# Allegro board 038RT-9068CJK8E-A100_0921.brd (continued)
## Routing (per net, layer and track width the routed paths; a pad name or vN(x,y) marks a point on that pad's centre or on a via; arc(x,y) is an arc through that point) (continued)
SG3_P1_LDOOUT: length 28.3
  L05_SIGNAL w0.102: 590.38,263.42 596.8,263.42 v1(597.2,263.82)
  L05_SIGNAL w0.105: v2(569.45,262.89) 569.64,262.7 589,262.7 589.72,263.42 590.38,263.42
  vias: v1(598,263.82)
SG3_P1_LED: length 25
  L05_SIGNAL w0.102: 598.4,258.6 598.4,261.02 v1(598.8,261.42)
  L05_SIGNAL w0.105: v2(599.93,237.18) 599.72,237.39 599.72,254.56 598.4,255.88 598.4,258.6
SG3_P1_MDI+: length 30.2
  L46_SIGNAL w0.102: 605.62,271.59 605.59,271.59 605.42,271.42 604.8,271.42 v1(604.4,271.02)
  L46_SIGNAL w0.136: v1(623.8,284.72) 623.8,284.9 623.59,285.11 621.3,285.11 620.6,284.41 620.6,278.29 618.74,276.43 609.19,276.43 607.27,274.51 607.27,272.66 606.21,271.59 605.62,271.59
SG3_P1_MDI-: length 30.2
  L46_SIGNAL w0.102: v1(604.4,271.82) 604.8,272.22 605.42,272.22 605.59,272.05 605.62,272.05
  L46_SIGNAL w0.136: v1(623.8,285.97) 623.8,285.79 623.57,285.56 621.11,285.56 620.15,284.6 620.15,278.48 618.56,276.88 609,276.88 606.82,274.7 606.82,272.85 606.02,272.05 605.62,272.05
SG3_P1_RXC: length 70.1
  L07_SIGNAL w0.102: 593.59,257.92 593.59,259.18 593.59,259.18 593.59,259.41 v1(594,259.82)
  L07_SIGNAL w0.105: v2(567.55,250.19) 568.49,251.14 568.49,253.29 569.25,254.04 570.8,254.04 571.18,253.66 571.18,250.21 571.49,249.91 573.02,249.91 573.32,250.21 573.32,253.56 573.8,254.04 575.47,254.04 576.21,253.3 576.21,245.18 579.16,242.23 585.83,242.23 v1(586.33,242.74) 585.59,243.48 585.59,249.49 588.29,252.19 590.02,252.19 590.3,252.47 590.3,255.47 590.04,255.73 586.58,255.73 586.31,256 586.31,256.75 586.45,256.89 593,256.89 593.59,257.49 593.59,257.92
  BOTTOM w0.115: v1(586.33,242.74) UNK3RR504.2
SG3_P1_RXD0: length 62.1
  L07_SIGNAL w0.102: v1(596.4,259.82) 595.99,259.41 595.33,259.41 595.19,259.27 595.19,258.86 595.04,258.71 595.04,258.6
  L07_SIGNAL w0.105: 595.04,258.6 595.04,256.35 592.18,253.48 592.18,245.45 591.45,244.72 589.62,244.72 589.23,244.34 589.23,242.69 589.7,242.23 591.92,242.23 v1(592.43,242.74) 593.19,241.97 593.19,240.43 592.7,239.94 578.74,239.94 569.86,248.82 568.24,248.82 566.89,250.18 566.89,252.7 v2(567.55,253.37)
  BOTTOM w0.115: v1(592.43,242.74) UNK3RR500.2
SG3_P1_RXD1: length 63.8
  L07_SIGNAL w0.102: 596.4,258.6 v1(596.4,259.02)
  L07_SIGNAL w0.105: v1(590.4,242.74) 591.07,243.41 594.77,243.41 595.98,242.2 596.74,242.2 597.08,242.54 597.08,243.5 596.37,244.21 596.37,250.51 596.4,250.54 596.4,258.6
  L09_SIGNAL w0.105: v2(565.64,247.01) 566.59,246.06 566.59,242.87 567.12,242.35 582.01,242.35 582.22,242.56 582.22,242.85 581.97,243.09 577.84,243.09 577.64,243.29 577.64,243.65 577.9,243.91 589.02,243.91 590.2,242.74 v1(590.4,242.74)
  BOTTOM w0.115: v1(590.4,242.74) UNK3RR501.2
SG3_P1_RXD2: length 55.3
  L07_SIGNAL w0.102: v1(595.6,259.82) 595.99,260.22 596.62,260.22 596.79,260.04 596.79,258.6
  L07_SIGNAL w0.105: 596.79,258.6 596.79,258.3 597.82,257.28 597.82,241.86 597.16,241.2 596,241.2 v1(594.46,242.74) 593.78,242.06 593.78,239.85 593.31,239.38 578.51,239.38 570.88,247.01 v2(569.45,247.01)
  BOTTOM w0.115: v1(594.46,242.74) UNK3RR502.2
SG3_P1_RXD3: length 50
  L07_SIGNAL w0.102: 595.6,258.6 v1(595.6,259.02)
  L07_SIGNAL w0.105: v1(596.49,242.74) 595.2,244.03 594.74,244.03 594.29,244.48 594.29,246.55 595.6,247.86 595.6,258.6
  L09_SIGNAL w0.105: v2(567.55,247.01) 571.53,243.04 574.99,243.04 576.42,244.47 589.89,244.47 590.85,243.51 595.72,243.51 v1(596.49,242.74)
  BOTTOM w0.115: v1(596.49,242.74) UNK3RR503.2
SG3_P1_RXDV: length 66.7
  L07_SIGNAL w0.102: 594.4,257.92 594.4,259.43 v1(594.8,259.82)
  L07_SIGNAL w0.105: v2(569.45,250.19) 578.55,241.1 586.72,241.1 v1(588.37,242.74) 587.26,243.84 587.26,249.68 587.57,249.98 588.16,249.98 588.4,249.74 588.4,245.5 588.69,245.21 589.27,245.21 589.67,245.62 589.67,251.21 589.93,251.47 590.33,251.47 590.5,251.3 590.5,245.77 590.75,245.53 591.14,245.53 591.38,245.77 591.38,254.12 594.4,257.14 594.4,257.92
  BOTTOM w0.115: v1(588.37,242.74) UNK3RR505.2
SG3_P1_TESTD: length 24.3
  L05_SIGNAL w0.102: v1(592.4,259.82) 592,259.42 592,258.6
  L05_SIGNAL w0.105: 592,258.6 592,256.04 590.7,254.73 590.7,243.97 589.71,242.98 589.71,238.38 v2(588.5,237.18)
SG3_P1_TXC: length 209.8
  L07_SIGNAL w0.105: v1(593.2,259.02) 593.2,258.56 592.43,257.8 584.64,257.8 583.77,258.67 566.96,258.67 566.62,258.33 566.62,257.78 566.94,257.46 573.9,257.46 574.34,257.02 574.34,255.31 573.79,254.77 566.22,254.77 565.03,253.58 565.03,250.8 v2(565.64,250.19)
  L15_SIGNAL w0.105: v2(565.64,250.19) 565.64,249.09 565.27,248.72 563.35,248.72 562.76,249.31 562.76,252.05 555.28,259.53 537.7,259.53 537.35,259.17 537.35,258.54 537.72,258.16 542.03,258.16 542.44,257.75 542.44,255.75 541.58,254.9 490.94,254.9 485.35,260.48 482.04,260.48 474.42,268.1 467.88,268.1 451.78,284.2 441.55,284.2 v1(441.05,284.7)
  BOTTOM w0.115: v1(441.05,284.7) UNK3RR524.2
SG3_P1_TXD0: length 77.4
  L09_SIGNAL w0.105: SG3_P1_TXD0.1 548.82,240.01 550.1,240.01 550.85,240.76 550.85,243.71 550.15,244.41 543.86,244.41 541.51,246.76 541.51,248.28 542.31,249.08 546.25,249.08 548.94,246.39 559.05,246.39 560,247.34 560,248.95 565,253.96 570.9,253.96 570.98,254.04 570.99,254.04 573.1,256.14 577.78,256.14 580.03,258.4 590.98,258.4 v1(591.6,259.02)
SG3_P1_TXD1: length 88.3
  L09_SIGNAL w0.102: 590.38,259.26 590.49,259.26 590.63,259.41 591.19,259.41 v1(591.6,259.82)
  L09_SIGNAL w0.105: 590.38,259.26 586.72,259.26 586.41,258.96 579.8,258.96 577.66,256.81 572.98,256.81 570.76,254.6 570.75,254.6 570.73,254.57 564.83,254.57 562.81,252.55 559.03,252.55 557.12,254.46 557.12,258.91 555.4,260.63 538.28,260.63 536.32,258.66 536.32,249.59 542.43,243.48 545.34,243.48 SG3_P1_TXD1.1
SG3_P1_TXD2: length 91.3
  L09_SIGNAL w0.105: v1(590.8,259.82) 586.03,259.82 585.72,260.12 580.18,260.12 577.93,257.87 573.25,257.87 570.53,255.15 563.64,255.15 562.97,255.83 562.97,259.47 559.82,262.62 535.38,262.62 534.23,261.47 534.23,244.68 535.8,243.1 535.8,240.35 535.26,239.8 532.59,239.8 531.98,239.18 SG3_P1_TXD2.1
SG3_P1_TXD3: length 104.4
  L09_SIGNAL w0.102: 584.7,261.03 591.19,261.03 v1(591.6,260.62)
  L09_SIGNAL w0.105: 584.7,261.03 584.37,260.7 579.97,260.7 577.7,258.42 573.02,258.42 570.3,255.71 564.24,255.71 563.79,256.16 563.79,260.71 560.56,263.94 528.32,263.94 526.76,262.37 526.76,258.93 524.58,256.76 524.58,241.35 525.9,240.03 530.41,240.03 SG3_P1_TXD3.1
SG3_P1_TXEN: length 201.6
  L07_SIGNAL w0.105: v2(563.74,250.19) 563.74,256.82 567.3,260.38 588.67,260.38 588.82,260.23 588.82,259.8 588.66,259.64 584.81,259.64 584.52,259.35 584.52,259.1 584.72,258.9 589.6,258.9 590.08,258.42 592.12,258.42 592.4,258.7 v1(592.4,259.02)
  L15_SIGNAL w0.105: v1(441.05,286.73) 442.77,285.01 452,285.01 468.35,268.66 474.73,268.66 482.21,261.17 485.45,261.17 489.19,257.43 535.18,257.43 535.57,257.83 535.57,258.28 535.28,258.57 532.05,258.57 531.55,259.07 531.55,260.1 532.09,260.64 545.01,260.64 545.56,261.19 560.62,261.19 563.74,258.08 v2(563.74,250.19)
  BOTTOM w0.115: v1(441.05,286.73) UNK3RR525.2
SG3_P1_VDDIO:
  vias: v1(593.2,259.82) v1(593.21,253.23) v1(593.21,252.6) v1(593.75,254.06) v1(594,260.62) v1(594,259.02)
SG3_P2_GIGA_MDI+: length 23.8
  TOP w0.105: GOLD3.A16 605.36,261.59 628.34,261.59 UNK3T24.4
SG3_P2_GIGA_MDI-: length 23.8
  TOP w0.105: UNK3T24.3 628.34,262.05 605.36,262.05 GOLD3.A15
SG3_P2_LED: length 26.4
  L05_SIGNAL w0.102: v1(598.8,262.22) 599.2,261.82 599.2,258.7 599.1,258.6
  L05_SIGNAL w0.105: v2(601.84,237.18) 601.84,243.61 600.35,245.1 600.35,254.82 599.02,256.14 599.02,258.53 599.1,258.6
SG3_P3_GIGA_MDI+: length 25
  TOP w0.105: GOLD3.A18 605.36,259.99 606.17,259.99 607.26,258.9 617.6,258.9 619.55,256.95 628.34,256.95 UNK3T25.4
SG3_P3_GIGA_MDI-: length 25
  TOP w0.105: GOLD3.A17 605.36,260.45 606.36,260.45 607.45,259.36 617.8,259.36 619.75,257.41 628.34,257.41 UNK3T25.3
SG3_P3_LED: length 25.4
  L05_SIGNAL w0.102: 597.6,258.6 597.6,261.82 v1(598,262.22)
  L05_SIGNAL w0.105: 597.6,258.6 597.6,255.35 598.03,254.92 v2(598.03,237.18)
SG3_P4_HSI+: length 43.8
  L46_SIGNAL w0.136: v1(591.6,264.62) 591.2,264.23 arc(590.98,264.08) 590.72,264.03 588.18,264.03 arc(587.92,263.98) 587.7,263.83 587.01,263.14 arc(586.93,263.09) 586.84,263.07 574.23,263.07 arc(573.97,263.02) 573.75,262.87 573.08,262.2 arc(572.93,261.98) 572.88,261.72 572.88,252.02 arc(572.86,251.94) 572.81,251.86 569.89,248.94 arc(569.82,248.89) 569.73,248.87 564.7,248.87 arc(564.44,248.82) 564.22,248.67 562.25,246.7 arc(562.18,246.65) 562.09,246.63 561.7,246.63 arc(561.48,246.68) 561.29,246.8 v3(561.11,246.99)
SG3_P4_HSI-: length 43.8
  L46_SIGNAL w0.136: v3(561.11,245.82) 561.29,246.01 arc(561.48,246.14) 561.7,246.18 562.09,246.18 arc(562.35,246.23) 562.57,246.38 563.19,247 arc(563.31,247.08) 563.45,247.11 563.49,247.11 arc(563.62,247.14) 563.72,247.21 563.77,247.25 arc(563.84,247.36) 563.87,247.49 563.87,247.52 arc(563.89,247.66) 563.98,247.79 564.54,248.35 arc(564.62,248.4) 564.7,248.42 569.73,248.42 arc(569.99,248.47) 570.21,248.62 573.13,251.54 arc(573.28,251.76) 573.33,252.02 573.33,261.72 arc(573.35,261.81) 573.4,261.88 574.07,262.55 arc(574.14,262.6) 574.23,262.62 586.84,262.62 arc(587.1,262.67) 587.33,262.82 588.02,263.51 arc(588.09,263.56) 588.18,263.58 591.19,263.58 arc(591.34,263.61) 591.47,263.69 v1(591.6,263.82)
SG3_P4_HSO+: length 46.2
  TOP w0.105: v1(561.11,244.48) 561.31,244.28 arc(561.45,244.18) 561.61,244.13 arc(561.63,244.13) 561.66,244.13 561.77,244.13 arc(561.87,244.11) 561.96,244.05 563.49,242.52 arc(563.53,242.5) 563.57,242.49 580.34,242.49 arc(580.38,242.5) 580.42,242.52 588.04,250.14 arc(588.06,250.18) 588.07,250.22 588.07,261.78 arc(588.11,262) 588.24,262.18 589.54,263.49 arc(589.73,263.61) 589.94,263.65 590.52,263.65 arc(590.62,263.67) 590.71,263.73 GOLD3.W13
SG3_P4_HSO-: length 46.2
  TOP w0.105: GOLD3.W14 590.71,263.11 arc(590.62,263.17) 590.52,263.19 589.94,263.19 arc(589.9,263.18) 589.87,263.16 588.57,261.85 arc(588.54,261.82) 588.54,261.78 588.54,250.22 arc(588.49,250) 588.37,249.82 580.75,242.19 arc(580.56,242.07) 580.34,242.03 563.57,242.03 arc(563.35,242.07) 563.16,242.19 561.76,243.6 arc(561.68,243.65) 561.59,243.67 561.56,243.67 arc(561.46,243.65) 561.38,243.59 v1(561.11,243.32)
SG3_P5_HSI+: length 33.8
  L03_SIGNAL w0.102: v4(591.6,263.02) 591.39,262.81 arc(591.18,262.67) 590.92,262.62 590.69,262.62 arc(590.58,262.6) 590.5,262.54 590.48,262.53 arc(590.39,262.47) 590.29,262.45 589.93,262.45 arc(589.69,262.4) 589.49,262.26
  L03_SIGNAL w0.136: v1(561.11,256.01) 561.29,255.82 arc(561.48,255.69) 561.7,255.65 562.33,255.65 arc(562.41,255.67) 562.49,255.72 564.9,258.12 arc(565.12,258.27) 565.38,258.32 572.23,258.32 arc(572.32,258.34) 572.39,258.39 572.66,258.66 arc(572.88,258.81) 573.14,258.86 578.94,258.86 arc(579.2,258.81) 579.42,258.66 579.62,258.47 arc(579.69,258.42) 579.78,258.4 585.53,258.4 arc(585.62,258.42) 585.69,258.47 589.49,262.26
SG3_P5_HSI-: length 33.8
  L03_SIGNAL w0.102: 590.38,261.99 590.4,261.99 590.5,261.9 arc(590.58,261.84) 590.69,261.82 590.92,261.82 arc(591.18,261.87) 591.39,262.01 v4(591.6,262.22)
  L03_SIGNAL w0.136: v1(561.11,254.84) 561.34,255.07 arc(561.48,255.17) 561.64,255.2 562.33,255.2 arc(562.59,255.25) 562.81,255.4 565.22,257.8 arc(565.29,257.85) 565.38,257.87 572.23,257.87 arc(572.49,257.92) 572.71,258.07 572.98,258.34 arc(573.06,258.39) 573.14,258.41 578.94,258.41 arc(579.03,258.39) 579.1,258.34 579.3,258.15 arc(579.52,258) 579.78,257.95 585.53,257.95 arc(585.79,258) 586.01,258.15 589.68,261.82 arc(589.88,261.95) 590.1,261.99 590.38,261.99
SG3_P5_HSO+: length 37.5
  BOTTOM w0.105: UNK3CS72.2 561.36,253.24 arc(561.47,253.17) 561.59,253.15 561.68,253.15 arc(561.74,253.16) 561.78,253.19 563.72,255.13 arc(563.9,255.25) 564.12,255.3 571.36,255.3 arc(571.4,255.3) 571.44,255.33 572.55,256.43 arc(572.57,256.47) 572.58,256.51 572.58,261.76 arc(572.62,261.98) 572.74,262.17 573.37,262.8 arc(573.56,262.92) 573.78,262.97 585.8,262.97 arc(586.02,262.92) 586.21,262.8 586.92,262.08 arc(586.96,262.06) 587,262.05 590.52,262.05 arc(590.62,262.07) 590.71,262.13 v1(590.8,262.22)
SG3_P5_HSO-: length 37.5
  BOTTOM w0.105: UNK3CS71.2 561.3,252.53 arc(561.47,252.64) 561.67,252.68 561.81,252.68 arc(561.92,252.71) 562.02,252.77 564.05,254.8 arc(564.08,254.82) 564.12,254.83 571.36,254.83 arc(571.58,254.87) 571.77,255 572.87,256.1 arc(573,256.29) 573.04,256.51 573.04,261.76 arc(573.05,261.81) 573.07,261.84 573.7,262.47 arc(573.74,262.49) 573.78,262.5 585.8,262.5 arc(585.84,262.49) 585.88,262.47 586.59,261.75 arc(586.78,261.63) 587,261.59 590.52,261.59 arc(590.62,261.57) 590.71,261.51 v1(590.8,261.42)
SG3_P5_LDOOUT: length 29.2
  L05_SIGNAL w0.102: 590.38,264.22 596.8,264.22 v1(597.2,264.62)
  L05_SIGNAL w0.105: 590.38,264.22 588.62,264.22 588.01,263.6 571.91,263.6 v2(569.45,266.06)
  vias: v1(598,264.62)
SG3_P5_LED: length 25.8
  L05_SIGNAL w0.102: v1(597.2,262.22) 596.8,261.82 596.8,258.6
  L05_SIGNAL w0.105: 596.8,258.6 596.8,254.88 596.51,254.6 596.51,244.02 595.75,243.26 595.75,237.55 v2(596.12,237.18)
SG3_P5_MDI+: length 6.9
  BOTTOM w0.105: UNK3T21.3 608.61,273.89 608.02,273.89 607.76,273.62 607.76,271.25 606.9,270.39 605.36,270.39 v1(605.2,270.22)
SG3_P5_MDI-: length 6.9
  BOTTOM w0.105: v1(605.2,271.02) 605.36,270.85 606.7,270.85 607.29,271.44 607.29,273.82 607.83,274.35 608.61,274.35 UNK3T21.4
SG3_P5_RXC: length 71.7
  L07_SIGNAL w0.105: v2(569.45,240.66) 569.45,240.45 572.18,237.72 599.47,237.72 601.56,239.8 601.56,242.88 602.73,244.05 605.34,244.05 v1(606.65,242.74)
  L09_SIGNAL w0.102: 600.05,258.6 600.05,258.62 600.4,258.97 v1(600.4,259.02)
  L09_SIGNAL w0.105: v1(606.65,242.74) 605.12,241.2 598.26,241.2 597.85,241.61 597.85,247.66 600.05,249.86 600.05,258.6
  BOTTOM w0.115: v1(606.65,242.74) UNK3RR904.2
SG3_P5_RXD0: length 83.5
  L07_SIGNAL w0.105: v1(602.59,242.74) 603.27,243.42 604.86,243.42 605.7,242.58 605.7,237.47 604.25,236.01 559.46,236.01 558.16,237.31 558.16,240.33 558.93,241.09 560.9,241.09 561.33,240.66 v2(563.74,240.66)
  L09_SIGNAL w0.102: 602.8,258.6 v1(602.8,259.02)
  L09_SIGNAL w0.105: 602.8,258.6 603,258.4 603,256.16 602.33,255.49 602.33,248.75 602.59,248.48 v1(602.59,242.74)
  BOTTOM w0.115: v1(602.59,242.74) UNK3RR900.2
SG3_P5_RXD1: length 88.5
  L07_SIGNAL w0.105: v2(569.45,256.54) 568.46,255.55 566.13,255.55 564.32,253.74 564.32,250.01 565.88,248.45 567.01,248.45 568.23,247.23 568.23,246.36 570.46,244.12 570.46,243.4 569.9,242.85 563.26,242.85 562.99,242.57 562.99,241.94 563.38,241.55 570,241.55 573.28,238.27 598.03,238.27 599.9,240.15 599.9,242.08 v1(600.56,242.74)
  L09_SIGNAL w0.102: v1(602,259.82) 602.4,259.42 602.4,258.6
  L09_SIGNAL w0.105: v1(600.56,242.74) 601.74,243.92 601.74,256.77 602.4,257.42 602.4,258.6
  BOTTOM w0.115: v1(600.56,242.74) UNK3RR901.2
SG3_P5_RXD2: length 103.4
  L09_SIGNAL w0.102: 599.15,258.6 599.2,258.65 599.2,259.98 599.43,260.21 601.46,260.21 601.6,260.06 601.6,259.41 v1(602,259.02)
  L09_SIGNAL w0.105: v2(565.64,240.66) 565.64,238.76 566.54,237.86 603.71,237.86 604.03,238.19 604.03,238.89 603.69,239.24 584.31,239.24 582.95,240.6 582.95,241.39 v1(584.3,242.74) 585.86,241.18 596.68,241.18 597.17,241.67 597.17,243.99 596.43,244.73 596.43,254.59 599.02,257.18 599.02,258.47 599.15,258.6
  BOTTOM w0.115: v1(584.3,242.74) UNK3RR902.2
SG3_P5_RXD3: length 90.4
  L07_SIGNAL w0.105: v1(598.53,242.74) 598.41,242.85 598.41,247.9 598.61,248.1 600.18,248.1 600.52,247.76 600.52,243.81 599.18,242.47 599.18,240.47 597.54,238.83 575.33,238.83 571.29,242.87 571.29,243.21 571.5,243.43 572,243.43 575.93,239.5 576.24,239.5 576.65,239.91 576.65,240.18 570.87,245.96 569.44,245.96 568.78,246.62 568.78,247.48 566.28,249.98 566.28,252.73 v2(565.64,253.37)
  L09_SIGNAL w0.102: v1(601.2,259.82) 600.8,259.43 600.8,258.84 600.63,258.67 600.63,258.6
  L09_SIGNAL w0.105: 600.63,258.6 600.63,245.11 598.57,243.04 598.57,242.78 v1(598.53,242.74)
  BOTTOM w0.115: v1(598.53,242.74) UNK3RR903.2
SG3_P5_RXDV: length 78.7
  L07_SIGNAL w0.105: v1(604.62,242.74) 603.72,241.84 603.72,238.24 602.05,236.57 562.39,236.57 561.7,237.26 561.7,239.06 562.32,239.68 566.56,239.68 v2(567.55,240.66)
  L09_SIGNAL w0.102: 601.33,258.6 601.33,258.89 v1(601.2,259.02)
  L09_SIGNAL w0.105: v1(604.62,242.74) 604.09,242.21 600.15,242.21 599.71,242.65 599.71,243.33 601.19,244.82 601.19,257.09 601.33,257.23 601.33,258.6
  BOTTOM w0.115: v1(604.62,242.74) UNK3RR905.2
SG3_P5_TXC: length 246.5
  L07_SIGNAL w0.102: v1(598.8,259.82) 598.4,260.21 598.4,261.64 598.22,261.83 590.4,261.83 590.38,261.8
  L07_SIGNAL w0.105: 590.38,261.8 588,261.8 587.35,262.45 573.81,262.45 572.86,261.49 566.12,261.49 565.66,261.49 562.39,258.23 562.39,249.19 567.55,244.04 v2(567.55,243.84)
  L15_SIGNAL w0.105: v2(567.55,243.84) 566.81,244.58 566.81,250.59 564.73,252.66 564.73,257.87 560.99,261.61 560.99,276.75 558.29,279.46 546.12,279.46 545.03,278.37 545.03,276.07 539.74,270.79 528.75,270.79 527.44,269.47 527.44,258.98 526.44,257.98 496.08,257.98 491.17,262.89 481.89,262.89 475.57,269.21 470.97,269.21 452.33,287.85 438.35,287.85 v1(437.24,286.73)
  BOTTOM w0.115: v1(437.24,286.73) UNK3RR924.2
SG3_P5_TXD0: length 70.3
  L09_SIGNAL w0.102: 598.4,258.7 598.4,259.42 v1(598,259.82)
  L09_SIGNAL w0.105: SG3_P5_TXD0.1 548.62,233.46 555.5,233.46 563.97,241.93 563.97,249.3 566.14,251.47 570.85,251.47 572.92,253.54 579.32,253.54 580.52,254.74 587.72,254.74 589.54,252.92 591.4,252.92 592.3,253.81 592.3,254.5 594.21,256.41 597.15,256.41 598.4,257.65 598.4,258.7
SG3_P5_TXD1: length 129.2
  L09_SIGNAL w0.105: SG3_P5_TXD1.1 545.65,233.69 544.18,233.69 543.1,232.61 543.1,229.56 540.46,226.91 524.16,226.91 523.36,227.71 523.36,232.16 524.02,232.82 526.28,232.82 528.73,230.36 538.24,230.36 539.1,231.23 539.1,235.19 540.27,236.35 557.14,236.35 563.09,242.3 563.09,242.48 563.09,242.49 563.09,250.47 564.65,252.03 570.62,252.03 572.69,254.09 578.75,254.09 581.03,256.37 592.95,256.37 593.66,257.08 596.71,257.08 597.6,257.97 597.6,258.62 v1(598,259.02)
SG3_P5_TXD2: length 147.7
  L09_SIGNAL w0.102: 596.69,258.6 596.8,258.7 596.8,259.42 v1(597.2,259.82)
  L09_SIGNAL w0.105: 596.69,258.6 595.76,257.66 584.98,257.66 584.8,257.85 580.55,257.85 578.79,256.09 578.79,255.48 577.96,254.65 572.46,254.65 570.39,252.58 564.41,252.58 562.53,250.7 562.53,242.69 556.9,237.05 526.14,237.05 522.13,241.05 522.13,256.8 521.29,257.65 517.94,257.65 517.09,256.8 517.09,240.88 524.21,233.76 530.27,233.76 SG3_P5_TXD2.1
SG3_P5_TXD3: length 251.7
  L07_SIGNAL w0.102: v1(597.2,259.02) 597.6,259.43 597.6,260.36 596.94,261.03 590.38,261.03
  L07_SIGNAL w0.105: v2(569.45,243.84) 566.61,246.68 566.61,247.18 566.08,247.71 564.84,247.71 562.97,249.57 562.97,258.02 565.89,260.94 573.16,260.94 574.12,261.89 586.37,261.89 587.24,261.03 590.38,261.03
  L15_SIGNAL w0.105: v2(569.45,243.84) 569.45,245.91 568.67,246.69 568.67,251.12 566.52,253.27 566.52,256.86 562.27,261.12 562.27,276.56 557.92,280.9 528.88,280.9 526.82,278.84 526.82,259.55 525.82,258.54 496.31,258.54 491.4,263.44 482.12,263.44 475.8,269.77 471.43,269.77 452.79,288.4 437.6,288.4 v1(437.24,288.77)
  BOTTOM w0.115: v1(437.24,288.77) UNK3RR923.2
SG3_P5_TXEN: length 253.2
  L07_SIGNAL w0.102: v1(598.8,259.02) 599.1,259.32 599.2,259.43 599.2,262.42 599.01,262.61 590.38,262.61
  L07_SIGNAL w0.105: v2(565.64,243.84) 565.64,245.01 560.4,250.26 560.4,257.06 565.41,262.08 572.39,262.08 573.45,263.14 588.53,263.14 589.06,262.61 590.38,262.61
  L15_SIGNAL w0.105: v2(565.64,243.84) 565.64,245.08 560.86,249.86 560.86,251.08 555.69,256.25 553.16,256.25 550.71,258.7 547.1,258.7 542.44,254.04 539,254.04 537.5,252.54 537.5,250.81 540.91,247.4 544.24,247.4 544.95,246.69 555.3,246.69 555.7,246.3 555.7,244.99 555.28,244.58 541.91,244.58 532.45,254.04 487.56,254.04 474.24,267.36 467.65,267.36 451.77,283.24 441.62,283.24 v1(441.05,282.67)
  BOTTOM w0.115: v1(441.05,282.67) UNK3RR925.2
SG3_P5_VDDIO:
  vias: v1(599.1,253.23) v1(599.1,252.6) v1(599.6,259.82) v1(599.6,259.02) v1(602.8,259.82)
SG3_P6_CLKREQB: length 27
  L09_SIGNAL w0.105: v2(567.55,269.24) 568.32,269.24 571.95,272.87 582.01,272.87 583.05,273.91 591.91,273.91 v1(592.4,273.42)
SG3_P6_HSI+: length 34
  BOTTOM w0.14: 590.59,269.63 590.02,269.63 586.98,272.67 572.02,272.67 570.04,270.69 562.59,270.69 561.28,269.37 560.01,269.37 UNK3CS107.2
  BOTTOM w0.15: 590.59,269.63 v1(590.8,269.42)
SG3_P6_HSI-: length 34
  BOTTOM w0.14: 590.59,270.01 590.18,270.01 587.14,273.06 571.86,273.06 569.87,271.08 562.43,271.08 561.12,269.76 560.01,269.76 UNK3CS108.2
  BOTTOM w0.15: 590.59,270.01 v1(590.8,270.22)
SG3_P6_HSO+: length 24.6
  TOP w0.14: UNK3CS102.2 568.28,276.12 arc(568.48,275.99) 568.72,275.94 569.7,275.94 arc(569.96,275.88) 570.19,275.73 572.7,273.23 arc(572.8,273.16) 572.92,273.14 588.04,273.14 arc(588.31,273.08) 588.54,272.93 589.76,271.71 arc(589.86,271.64) 589.98,271.61 590.46,271.61 arc(590.58,271.64) 590.68,271.71
  TOP w0.15: 590.68,271.71 GOLD3.W3
SG3_P6_HSO-: length 24.6
  TOP w0.14: UNK3CS101.2 568.28,275.36 arc(568.48,275.5) 568.72,275.55 569.7,275.55 arc(569.81,275.52) 569.91,275.46 572.42,272.95 arc(572.65,272.8) 572.92,272.75 588.04,272.75 arc(588.16,272.72) 588.26,272.65 589.49,271.43 arc(589.71,271.28) 589.98,271.23 590.42,271.23 arc(590.58,271.19) 590.71,271.1
  TOP w0.15: GOLD3.W4 590.71,271.1
SG3_P6_ISOLATEB: length 86.7
  L05_SIGNAL w0.102: v1(592.4,272.62) 592.8,272.22 592.8,268.09 592.12,267.42 590.45,267.42 590.38,267.5
  L05_SIGNAL w0.105: v2(521.83,283.66) 522.42,284.26 522.42,285.21 522.62,285.41 540.51,285.41 541.47,284.44 541.47,280.93 542.88,279.52 544.85,279.52 552.24,272.13 561.3,272.13 565.38,268.05 589.82,268.05 590.38,267.5
SG3_P6_LANWAKEB: length 25.1
  L09_SIGNAL w0.102: 590.38,272.22 592.8,272.22 v1(593.2,272.62)
  L09_SIGNAL w0.105: v2(569.45,269.24) 572.43,272.22 590.38,272.22
SG3_P6_LED: length 26.5
  L05_SIGNAL w0.102: 596,258.6 596,261.82 v1(596.4,262.22)
  L05_SIGNAL w0.105: 596,258.6 596,255.21 595.71,254.93 595.71,248.26 594.26,246.8 594.26,244.36 593.58,243.68 593.58,237.81 v2(594.22,237.18)
SG3_P6_MDI+: length 5.7
  L46_SIGNAL w0.102: 605.62,269.99 605.59,269.99 605.42,269.82 604.8,269.82 v1(604.4,269.42)
  L46_SIGNAL w0.136: 605.62,269.99 606.1,269.99 606.96,269.14 609,269.14 609.14,269.01 v1(609.14,268.67)
SG3_P6_MDI-: length 5.7
  L46_SIGNAL w0.102: 605.62,270.45 605.59,270.45 605.42,270.62 604.8,270.62 v1(604.4,270.22)
  L46_SIGNAL w0.136: 605.62,270.45 606.29,270.45 607.14,269.59 609,269.59 609.14,269.73 v1(609.14,270.07)
SG3_P6_PCIE_RESETB: length 59.1
  L03_SIGNAL w0.145: v2(539.61,286.07) 540.34,285.33 540.34,282.8 545.05,278.1 560.74,278.1 563.88,274.96 590.65,274.96 591.6,274.01 v1(591.6,273.42)
SG3_P6_REFCLK+: length 32.1
  L05_SIGNAL w0.1: v2(567.55,285.12) 566.88,285.12 566.78,285.01 566.78,284.09 567.04,283.82 567.45,283.82 567.57,283.94 567.57,284.14 567.69,284.26 567.86,284.26 567.97,284.14 567.97,283.94 568.09,283.82 572.22,283.82 578.07,277.97 581.66,277.97 583.88,275.76 586.2,275.76 589.16,272.8 590.14,272.8
  L05_SIGNAL w0.102: 590.14,272.8 590.14,272.8 590.28,272.8 590.5,273.02 591.2,273.02 v1(591.6,272.62)
SG3_P6_REFCLK-: length 32.1
  L05_SIGNAL w0.1: v2(565.64,285.12) 566.31,285.12 566.41,285.01 566.41,283.93 566.89,283.46 572.07,283.46 577.91,277.61 581.51,277.61 583.73,275.39 586.05,275.39 589.01,272.44 590.14,272.44
  L05_SIGNAL w0.102: v1(591.6,271.82) 591.2,272.22 590.5,272.22 590.28,272.44 590.14,272.44
SG3_P7_CLKREQB: length 31.4
  L09_SIGNAL w0.102: v1(594,270.22) 593.6,269.82 590.54,269.82 590.54,269.82 590.38,269.82
  L09_SIGNAL w0.105: v2(565.64,262.89) 566.62,263.87 569.66,263.87 573.91,268.12 584.65,268.12 586.35,269.82 590.38,269.82
SG3_P7_HSI+: length 32.8
  BOTTOM w0.14: UNK3CS117.2 560.01,266.51 562.66,266.51 563.89,267.74 586.17,267.74 588.29,265.61 590.6,265.61
  BOTTOM w0.15: v1(590.8,265.42) 590.6,265.61
SG3_P7_HSI-: length 32.8
  BOTTOM w0.14: UNK3CS118.2 560.01,266.9 562.49,266.9 563.73,268.13 586.33,268.13 588.45,266 590.58,266 590.59,266.01
  BOTTOM w0.15: v1(590.8,266.22) 590.59,266.01
SG3_P7_HSO+: length 26.2
  TOP w0.14: UNK3CS112.2 568.28,273.62 arc(568.48,273.48) 568.72,273.43 568.9,273.43 arc(569.17,273.38) 569.4,273.23 571.11,271.51 arc(571.26,271.28) 571.32,271.02 571.32,269.81 arc(571.34,269.69) 571.41,269.59 572.62,268.38 arc(572.72,268.31) 572.84,268.29 588.44,268.29 arc(588.71,268.24) 588.94,268.08 589.32,267.71 arc(589.42,267.64) 589.54,267.61 590.46,267.61 arc(590.58,267.64) 590.68,267.71
  TOP w0.15: 590.68,267.71 GOLD3.W8
SG3_P7_HSO-: length 26.2
  TOP w0.14: UNK3CS111.2 568.28,272.86 arc(568.48,272.99) 568.72,273.04 568.9,273.04 arc(569.02,273.02) 569.12,272.95 570.83,271.24 arc(570.9,271.14) 570.93,271.02 570.93,269.81 arc(570.98,269.54) 571.13,269.32 572.34,268.1 arc(572.57,267.95) 572.84,267.9 588.44,267.9 arc(588.56,267.88) 588.66,267.81 589.04,267.43 arc(589.27,267.28) 589.54,267.23 590.48,267.23 arc(590.58,267.2) 590.67,267.14 GOLD3.W9
SG3_P7_ISOLATEB: length 84.6
  L05_SIGNAL w0.102: v1(593.2,271.02) 593.59,270.63 594.23,270.63 594.39,270.47 594.39,266.06 594.16,265.83 593.89,265.83 593.87,265.81 590.38,265.81
  L05_SIGNAL w0.105: v2(523.1,283.66) 528.85,277.91 544.24,277.91 552.36,269.79 561.94,269.79 564.79,266.94 588.43,266.94 589.56,265.81 590.38,265.81
SG3_P7_LANWAKEB: length 30.7
  L09_SIGNAL w0.102: v1(594,271.02) 593.6,271.42 590.54,271.42 590.54,271.42 590.38,271.42
  L09_SIGNAL w0.105: v2(565.64,266.06) 566.71,267.13 569.88,267.13 573.01,270.26 584.29,270.26 585.45,271.42 590.38,271.42
SG3_P7_PCIE_RESETB: length 67
  L05_SIGNAL w0.102: v1(593.2,270.22) 593.6,269.81 593.6,266.75 593.48,266.62 590.38,266.62
  L05_SIGNAL w0.105: 590.38,266.62 590.14,266.62 589.26,267.5 565.06,267.5 562.2,270.37 552.83,270.37 544.56,278.63 542.42,278.63 540.23,280.83 540.23,284.04 v2(539.61,284.67)
SG3_P7_REFCLK+: length 32.4
  L05_SIGNAL w0.1: 590.14,269.6 590.11,269.6 590.11,269.6 589.99,269.6 589.98,269.6 587.41,269.6 584.37,272.64 579.56,272.64 573.38,278.82 568.41,278.82 567.69,279.54 567.69,279.7 567.84,279.85 567.84,280.01 567.72,280.13 567.55,280.13 567.41,279.99 567.24,279.99 566.78,280.45 566.78,281.84 566.88,281.94 v2(567.55,281.94)
  L05_SIGNAL w0.102: v1(591.6,269.42) 591.2,269.82 590.5,269.82 590.28,269.6 590.14,269.6
SG3_P7_REFCLK-: length 32.4
  L05_SIGNAL w0.1: 590.14,269.24 587.26,269.24 584.22,272.27 579.41,272.27 573.23,278.46 568.26,278.46 566.41,280.3 566.41,281.84 566.31,281.94 v2(565.64,281.94)
  L05_SIGNAL w0.102: v1(591.6,268.62) 591.2,269.02 590.5,269.02 590.28,269.24 590.14,269.24